# KiCad board F02-Func-Decoder-p.kicad_pcb
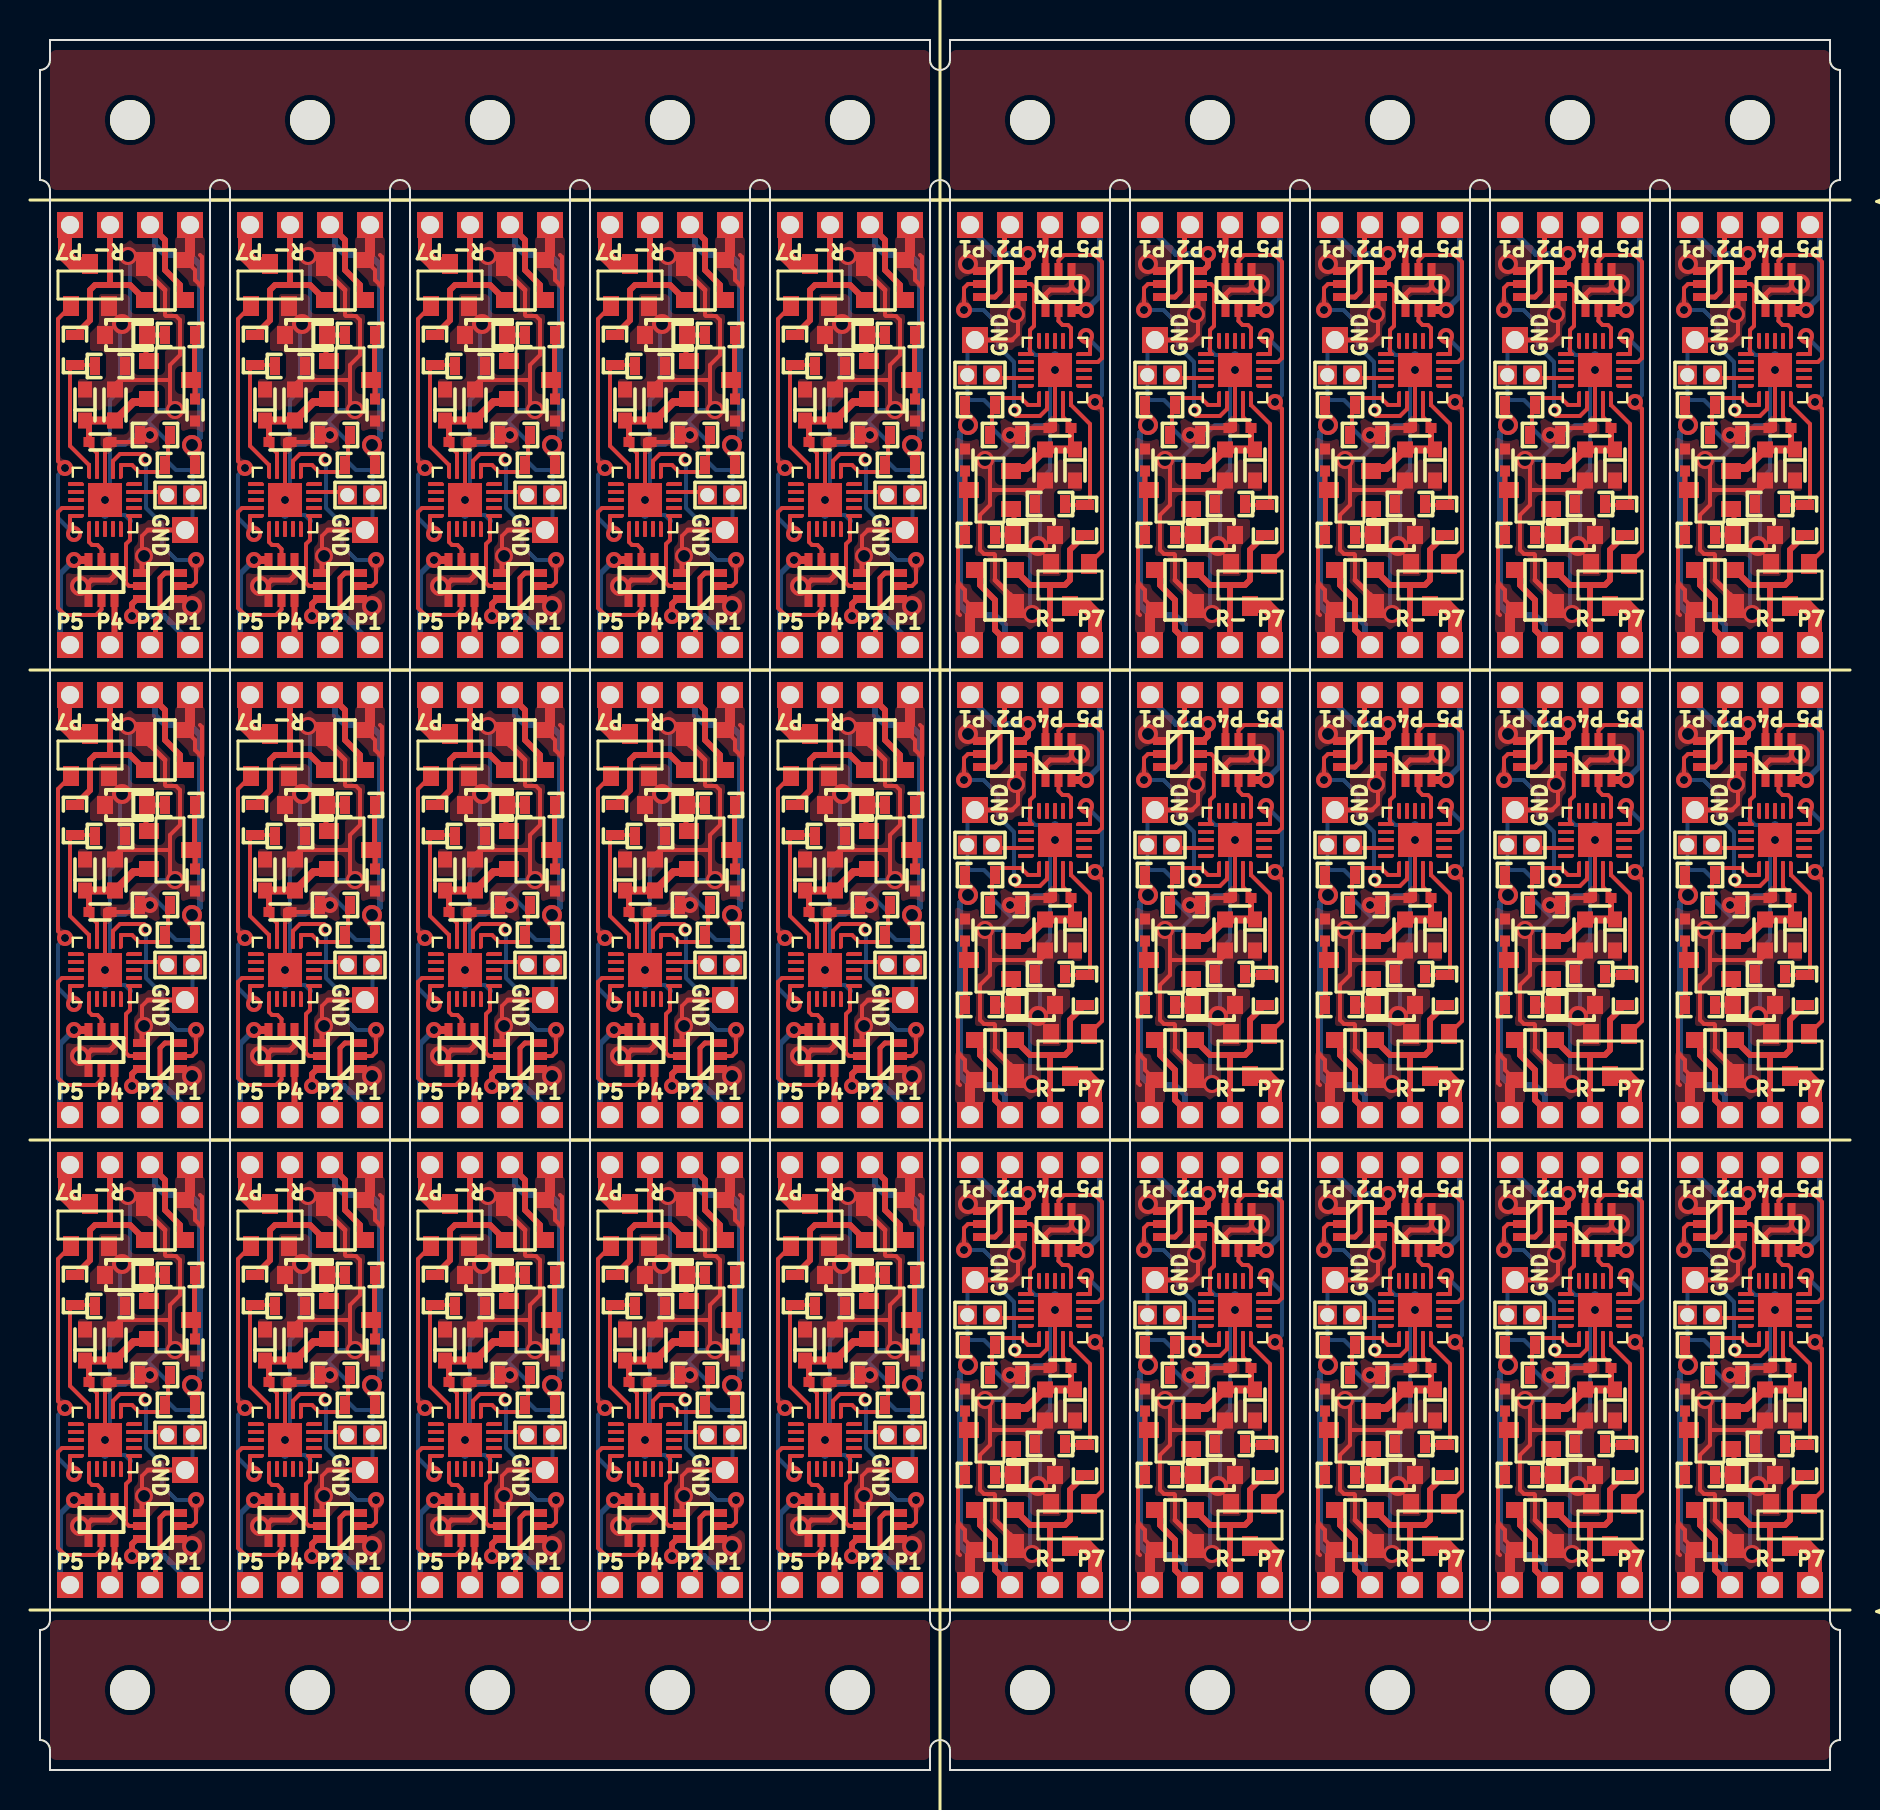
[diagram p0: board, top side]
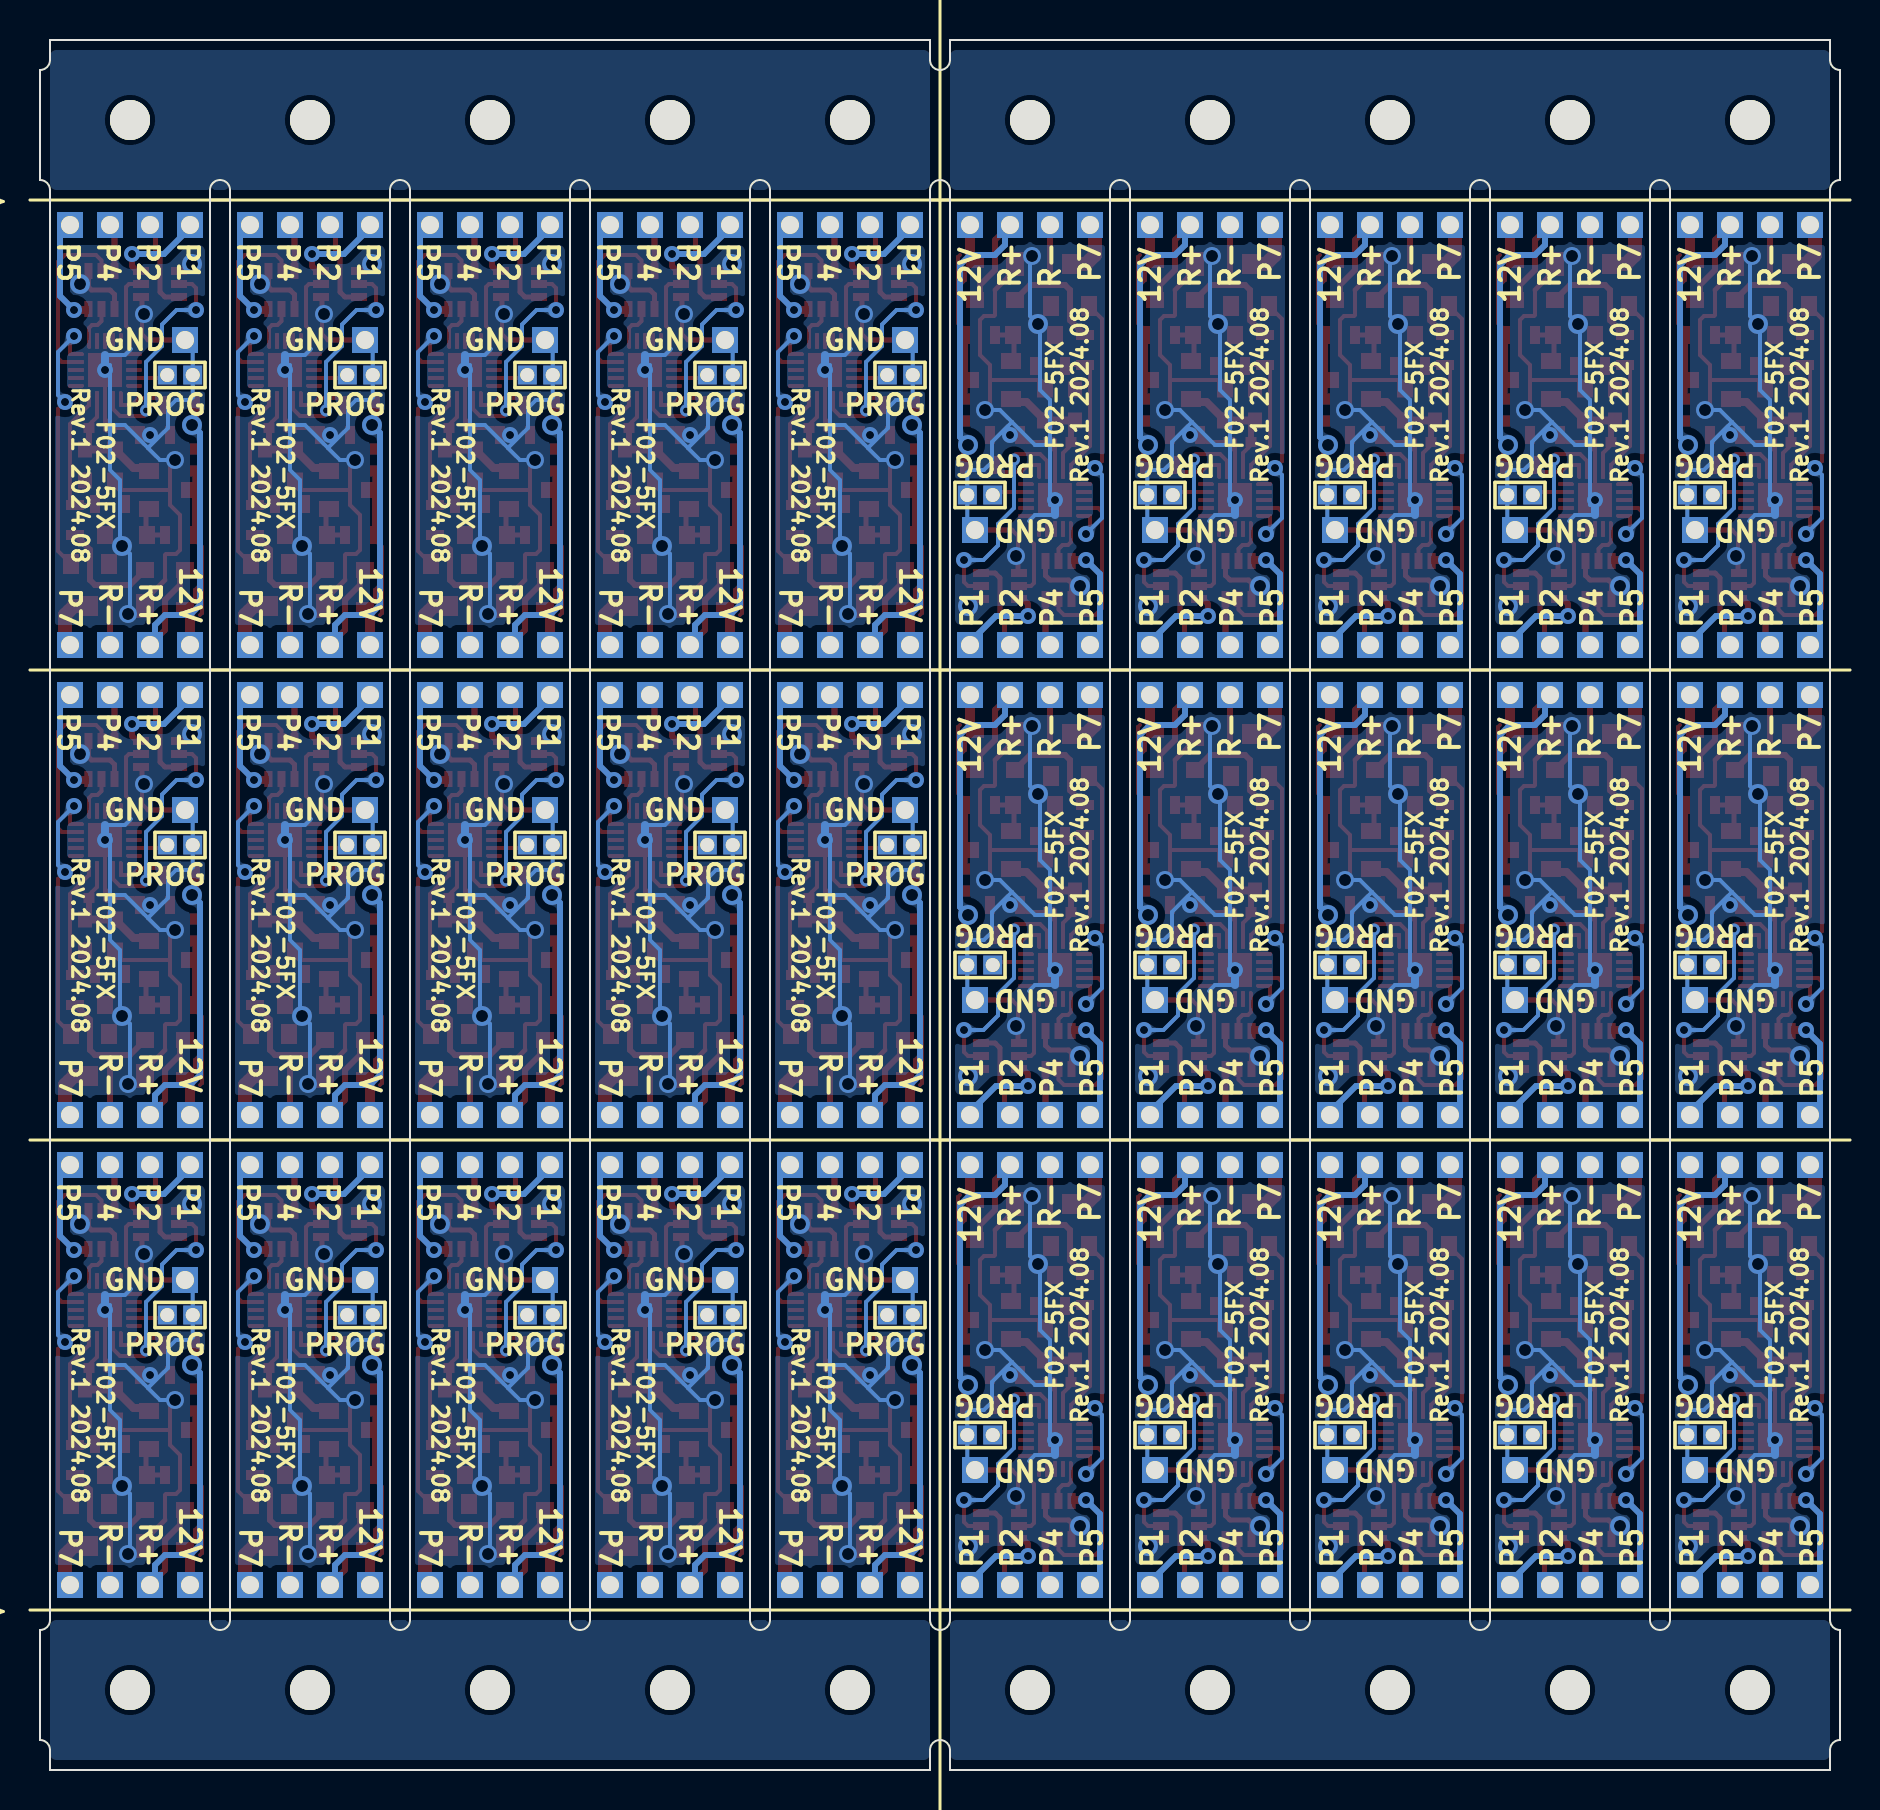
[diagram p1: board, bottom side, seen from below]

Outline 90 x 86.5 mm; copper layers: Top, Bottom. Coordinates in mm from the lower left corner of the outline.
Outline path: 0,79.5 0,85 arc(0.35,85.15) 0.5,85.5 0.5,86.5 44.5,86.5 44.5,85.5 arc(45,85) 45.5,85.5 45.5,86.5 89.5,86.5 89.5,85.5 arc(89.65,85.15) 90,85 90,79.5 arc(89.65,79.35) 89.5,79 89.5,7.5 arc(89.65,7.15) 90,7 90,1.5 arc(89.65,1.35) 89.5,1 89.5,0 45.5,0 45.5,1 arc(45,1.5) 44.5,1 44.5,0 0.5,0 0.5,1 arc(0.35,1.35) 0,1.5 0,7 arc(0.35,7.15) 0.5,7.5 0.5,79 arc(0.35,79.35) 0,79.5 ; 8.5,79 8.5,7.5 arc(9,7) 9.5,7.5 9.5,79 arc(9,79.5) 8.5,79 ; 17.5,79 17.5,7.5 arc(18,7) 18.5,7.5 18.5,79 arc(18,79.5) 17.5,79 ; 26.5,79 26.5,7.5 arc(27,7) 27.5,7.5 27.5,79 arc(27,79.5) 26.5,79 ; 35.5,79 35.5,7.5 arc(36,7) 36.5,7.5 36.5,79 arc(36,79.5) 35.5,79 ; 44.5,79 44.5,7.5 arc(45,7) 45.5,7.5 45.5,79 arc(45,79.5) 44.5,79 ; 53.5,79 53.5,7.5 arc(54,7) 54.5,7.5 54.5,79 arc(54,79.5) 53.5,79 ; 62.5,79 62.5,7.5 arc(63,7) 63.5,7.5 63.5,79 arc(63,79.5) 62.5,79 ; 71.5,79 71.5,7.5 arc(72,7) 72.5,7.5 72.5,79 arc(72,79.5) 71.5,79 ; 80.5,79 80.5,7.5 arc(81,7) 81.5,7.5 81.5,79 arc(81,79.5) 80.5,79
Stack: Top 0.035mm / dielectric 0.51mm FR4 er 4.5 / Bottom 0.035mm

## Placement (name value [footprint] x y rotation side)
C1  104  [C_1005_v2]  87 20.1 180 top
C1#2  104  [C_1005_v2]  3 66.4 0 top
C2  104  [C_1005_v2]  7.75 68 270 top
C2#2  104  [C_1005_v2]  82.25 18.5 90 top
C3  226  [C_1608]  3.75 68.25 90 top
C3#2  226  [C_1608]  86.25 18.25 270 top
C4  476  [CP_1608]  87.75 18.25 270 top
C4#2  476  [CP_1608]  2.25 68.25 90 top
C5  104  [C_1005_v2]  12 66.4 0 top
C5#2  104  [C_1005_v2]  78 20.1 180 top
C6  104  [C_1005_v2]  73.25 18.5 90 top
C6#2  104  [C_1005_v2]  16.75 68 270 top
C7  226  [C_1608]  77.25 18.25 270 top
C7#2  226  [C_1608]  12.75 68.25 90 top
C8  476  [CP_1608]  11.25 68.25 90 top
C8#2  476  [CP_1608]  78.75 18.25 270 top
C9  104  [C_1005_v2]  21 66.4 0 top
C9#2  104  [C_1005_v2]  69 20.1 180 top
C10  104  [C_1005_v2]  64.25 18.5 90 top
C10#2  104  [C_1005_v2]  25.75 68 270 top
C11  226  [C_1608]  21.75 68.25 90 top
C11#2  226  [C_1608]  68.25 18.25 270 top
C12  476  [CP_1608]  20.25 68.25 90 top
C12#2  476  [CP_1608]  69.75 18.25 270 top
C13  104  [C_1005_v2]  60 20.1 180 top
C13#2  104  [C_1005_v2]  30 66.4 0 top
C14  104  [C_1005_v2]  34.75 68 270 top
C14#2  104  [C_1005_v2]  55.25 18.5 90 top
C15  226  [C_1608]  30.75 68.25 90 top
C15#2  226  [C_1608]  59.25 18.25 270 top
C16  476  [CP_1608]  29.25 68.25 90 top
C16#2  476  [CP_1608]  60.75 18.25 270 top
C17  104  [C_1005_v2]  51 20.1 180 top
C17#2  104  [C_1005_v2]  39 66.4 0 top
C18  104  [C_1005_v2]  43.75 68 270 top
C18#2  104  [C_1005_v2]  46.25 18.5 90 top
C19  226  [C_1608]  50.25 18.25 270 top
C19#2  226  [C_1608]  39.75 68.25 90 top
C20  476  [CP_1608]  51.75 18.25 270 top
C20#2  476  [CP_1608]  38.25 68.25 90 top
C21  104  [C_1005_v2]  87 43.6 180 top
C21#2  104  [C_1005_v2]  3 42.9 0 top
C22  104  [C_1005_v2]  7.75 44.5 270 top
C22#2  104  [C_1005_v2]  82.25 42 90 top
C23  226  [C_1608]  86.25 41.75 270 top
C23#2  226  [C_1608]  3.75 44.75 90 top
C24  476  [CP_1608]  2.25 44.75 90 top
C24#2  476  [CP_1608]  87.75 41.75 270 top
C25  104  [C_1005_v2]  78 43.6 180 top
C25#2  104  [C_1005_v2]  12 42.9 0 top
C26  104  [C_1005_v2]  73.25 42 90 top
C26#2  104  [C_1005_v2]  16.75 44.5 270 top
C27  226  [C_1608]  77.25 41.75 270 top
C27#2  226  [C_1608]  12.75 44.75 90 top
C28  476  [CP_1608]  78.75 41.75 270 top
C28#2  476  [CP_1608]  11.25 44.75 90 top
C29  104  [C_1005_v2]  21 42.9 0 top
C29#2  104  [C_1005_v2]  69 43.6 180 top
C30  104  [C_1005_v2]  25.75 44.5 270 top
C30#2  104  [C_1005_v2]  64.25 42 90 top
C31  226  [C_1608]  68.25 41.75 270 top
C31#2  226  [C_1608]  21.75 44.75 90 top
C32  476  [CP_1608]  20.25 44.75 90 top
C32#2  476  [CP_1608]  69.75 41.75 270 top
C33  104  [C_1005_v2]  30 42.9 0 top
C33#2  104  [C_1005_v2]  60 43.6 180 top
C34  104  [C_1005_v2]  55.25 42 90 top
C34#2  104  [C_1005_v2]  34.75 44.5 270 top
C35  226  [C_1608]  30.75 44.75 90 top
C35#2  226  [C_1608]  59.25 41.75 270 top
C36  476  [CP_1608]  29.25 44.75 90 top
C36#2  476  [CP_1608]  60.75 41.75 270 top
C37  104  [C_1005_v2]  39 42.9 0 top
C37#2  104  [C_1005_v2]  51 43.6 180 top
C38  104  [C_1005_v2]  46.25 42 90 top
C38#2  104  [C_1005_v2]  43.75 44.5 270 top
C39  226  [C_1608]  50.25 41.75 270 top
C39#2  226  [C_1608]  39.75 44.75 90 top
C40  476  [CP_1608]  51.75 41.75 270 top
C40#2  476  [CP_1608]  38.25 44.75 90 top
C41  104  [C_1005_v2]  87 67.1 180 top
C41#2  104  [C_1005_v2]  3 19.4 0 top
C42  104  [C_1005_v2]  82.25 65.5 90 top
C42#2  104  [C_1005_v2]  7.75 21 270 top
C43  226  [C_1608]  3.75 21.25 90 top
C43#2  226  [C_1608]  86.25 65.25 270 top
C44  476  [CP_1608]  2.25 21.25 90 top
C44#2  476  [CP_1608]  87.75 65.25 270 top
C45  104  [C_1005_v2]  78 67.1 180 top
C45#2  104  [C_1005_v2]  12 19.4 0 top
C46  104  [C_1005_v2]  16.75 21 270 top
C46#2  104  [C_1005_v2]  73.25 65.5 90 top
C47  226  [C_1608]  77.25 65.25 270 top
C47#2  226  [C_1608]  12.75 21.25 90 top
C48  476  [CP_1608]  78.75 65.25 270 top
C48#2  476  [CP_1608]  11.25 21.25 90 top
C49  104  [C_1005_v2]  21 19.4 0 top
C49#2  104  [C_1005_v2]  69 67.1 180 top
C50  104  [C_1005_v2]  25.75 21 270 top
C50#2  104  [C_1005_v2]  64.25 65.5 90 top
C51  226  [C_1608]  21.75 21.25 90 top
C51#2  226  [C_1608]  68.25 65.25 270 top
C52  476  [CP_1608]  20.25 21.25 90 top
C52#2  476  [CP_1608]  69.75 65.25 270 top
C53  104  [C_1005_v2]  30 19.4 0 top
C53#2  104  [C_1005_v2]  60 67.1 180 top
C54  104  [C_1005_v2]  34.75 21 270 top
C54#2  104  [C_1005_v2]  55.25 65.5 90 top
C55  226  [C_1608]  59.25 65.25 270 top
C55#2  226  [C_1608]  30.75 21.25 90 top
C56  476  [CP_1608]  29.25 21.25 90 top
C56#2  476  [CP_1608]  60.75 65.25 270 top
C57  104  [C_1005_v2]  51 67.1 180 top
C57#2  104  [C_1005_v2]  39 19.4 0 top
C58  104  [C_1005_v2]  46.25 65.5 90 top
C58#2  104  [C_1005_v2]  43.75 21 270 top
C59  226  [C_1608]  39.75 21.25 90 top
C59#2  226  [C_1608]  50.25 65.25 270 top
C60  476  [CP_1608]  38.25 21.25 90 top
C60#2  476  [CP_1608]  51.75 65.25 270 top
D1  BAS3007  [SOT-143]  83.75 12 90 top
D1#2  BAS3007  [SOT-143]  6.25 74.5 270 top
D2  UDZV5.6B  [UMD2]  4.3 71.75 0 top
D2#2  UDZV5.6B  [UMD2]  85.7 14.75 180 top
D3  BAS3007  [SOT-143]  74.75 12 90 top
D3#2  BAS3007  [SOT-143]  15.25 74.5 270 top
D4  UDZV5.6B  [UMD2]  13.3 71.75 0 top
D4#2  UDZV5.6B  [UMD2]  76.7 14.75 180 top
D5  BAS3007  [SOT-143]  24.25 74.5 270 top
D5#2  BAS3007  [SOT-143]  65.75 12 90 top
D6  UDZV5.6B  [UMD2]  22.3 71.75 0 top
D6#2  UDZV5.6B  [UMD2]  67.7 14.75 180 top
D7  BAS3007  [SOT-143]  33.25 74.5 270 top
D7#2  BAS3007  [SOT-143]  56.75 12 90 top
D8  UDZV5.6B  [UMD2]  58.7 14.75 180 top
D8#2  UDZV5.6B  [UMD2]  31.3 71.75 0 top
D9  BAS3007  [SOT-143]  42.25 74.5 270 top
D9#2  BAS3007  [SOT-143]  47.75 12 90 top
D10  UDZV5.6B  [UMD2]  40.3 71.75 0 top
D10#2  UDZV5.6B  [UMD2]  49.7 14.75 180 top
D11  BAS3007  [SOT-143]  83.75 35.5 90 top
D11#2  BAS3007  [SOT-143]  6.25 51 270 top
D12  UDZV5.6B  [UMD2]  4.3 48.25 0 top
D12#2  UDZV5.6B  [UMD2]  85.7 38.25 180 top
D13  BAS3007  [SOT-143]  74.75 35.5 90 top
D13#2  BAS3007  [SOT-143]  15.25 51 270 top
D14  UDZV5.6B  [UMD2]  13.3 48.25 0 top
D14#2  UDZV5.6B  [UMD2]  76.7 38.25 180 top
D15  BAS3007  [SOT-143]  24.25 51 270 top
D15#2  BAS3007  [SOT-143]  65.75 35.5 90 top
D16  UDZV5.6B  [UMD2]  22.3 48.25 0 top
D16#2  UDZV5.6B  [UMD2]  67.7 38.25 180 top
D17  BAS3007  [SOT-143]  33.25 51 270 top
D17#2  BAS3007  [SOT-143]  56.75 35.5 90 top
D18  UDZV5.6B  [UMD2]  31.3 48.25 0 top
D18#2  UDZV5.6B  [UMD2]  58.7 38.25 180 top
D19  BAS3007  [SOT-143]  42.25 51 270 top
D19#2  BAS3007  [SOT-143]  47.75 35.5 90 top
D20  UDZV5.6B  [UMD2]  40.3 48.25 0 top
D20#2  UDZV5.6B  [UMD2]  49.7 38.25 180 top
D21  BAS3007  [SOT-143]  83.75 59 90 top
D21#2  BAS3007  [SOT-143]  6.25 27.5 270 top
D22  UDZV5.6B  [UMD2]  85.7 61.75 180 top
D22#2  UDZV5.6B  [UMD2]  4.3 24.75 0 top
D23  BAS3007  [SOT-143]  74.75 59 90 top
D23#2  BAS3007  [SOT-143]  15.25 27.5 270 top
D24  UDZV5.6B  [UMD2]  13.3 24.75 0 top
D24#2  UDZV5.6B  [UMD2]  76.7 61.75 180 top
D25  BAS3007  [SOT-143]  65.75 59 90 top
D25#2  BAS3007  [SOT-143]  24.25 27.5 270 top
D26  UDZV5.6B  [UMD2]  67.7 61.75 180 top
D26#2  UDZV5.6B  [UMD2]  22.3 24.75 0 top
D27  BAS3007  [SOT-143]  56.75 59 90 top
D27#2  BAS3007  [SOT-143]  33.25 27.5 270 top
D28  UDZV5.6B  [UMD2]  58.7 61.75 180 top
D28#2  UDZV5.6B  [UMD2]  31.3 24.75 0 top
D29  BAS3007  [SOT-143]  42.25 27.5 270 top
D29#2  BAS3007  [SOT-143]  47.75 59 90 top
D30  UDZV5.6B  [UMD2]  49.7 61.75 180 top
D30#2  UDZV5.6B  [UMD2]  40.3 24.75 0 top
J1  PAD  [PAD_1.3x1.3_Hole0.9]  1.5 77.25 90 top
J1#2  PAD  [PAD_1.3x1.3_Hole0.9]  88.5 9.25 270 top
J2  PAD  [PAD_1.3x1.3_Hole0.9]  86.5 30.25 90 top
J2#2  PAD  [PAD_1.3x1.3_Hole0.9]  3.5 56.25 270 top
J3  PAD  [PAD_1.3x1.3_Hole0.9]  84.5 30.25 90 top
J3#2  PAD  [PAD_1.3x1.3_Hole0.9]  5.5 56.25 270 top
J4  PAD  [PAD_1.3x1.3_Hole0.9]  7.5 56.25 270 top
J4#2  PAD  [PAD_1.3x1.3_Hole0.9]  82.5 30.25 90 top
J5  PAD  [PAD_1.3x1.3_Hole0.9]  88.5 30.25 90 top
J5#2  PAD  [PAD_1.3x1.3_Hole0.9]  1.5 56.25 270 top
J6  PAD  [PAD_1.3x1.3_Hole0.9]  79.5 9.25 270 top
J6#2  PAD  [PAD_1.3x1.3_Hole0.9]  10.5 77.25 90 top
J7  PAD  [PAD_1.3x1.3_Hole0.9]  12.5 56.25 270 top
J7#2  PAD  [PAD_1.3x1.3_Hole0.9]  77.5 30.25 90 top
J8  PAD  [PAD_1.3x1.3_Hole0.9]  14.5 56.25 270 top
J8#2  PAD  [PAD_1.3x1.3_Hole0.9]  75.5 30.25 90 top
J9  PAD  [PAD_1.3x1.3_Hole0.9]  73.5 30.25 90 top
J9#2  PAD  [PAD_1.3x1.3_Hole0.9]  16.5 56.25 270 top
J10  PAD  [PAD_1.3x1.3_Hole0.9]  79.5 30.25 90 top
J10#2  PAD  [PAD_1.3x1.3_Hole0.9]  10.5 56.25 270 top
J11  PAD  [PAD_1.3x1.3_Hole0.9]  19.5 77.25 90 top
J11#2  PAD  [PAD_1.3x1.3_Hole0.9]  70.5 9.25 270 top
J12  PAD  [PAD_1.3x1.3_Hole0.9]  68.5 30.25 90 top
J12#2  PAD  [PAD_1.3x1.3_Hole0.9]  21.5 56.25 270 top
J13  PAD  [PAD_1.3x1.3_Hole0.9]  66.5 30.25 90 top
J13#2  PAD  [PAD_1.3x1.3_Hole0.9]  23.5 56.25 270 top
J14  PAD  [PAD_1.3x1.3_Hole0.9]  64.5 30.25 90 top
J14#2  PAD  [PAD_1.3x1.3_Hole0.9]  25.5 56.25 270 top
J15  PAD  [PAD_1.3x1.3_Hole0.9]  70.5 30.25 90 top
J15#2  PAD  [PAD_1.3x1.3_Hole0.9]  19.5 56.25 270 top
J16  PAD  [PAD_1.3x1.3_Hole0.9]  61.5 9.25 270 top
J16#2  PAD  [PAD_1.3x1.3_Hole0.9]  28.5 77.25 90 top
J17  PAD  [PAD_1.3x1.3_Hole0.9]  30.5 56.25 270 top
J17#2  PAD  [PAD_1.3x1.3_Hole0.9]  59.5 30.25 90 top
J18  PAD  [PAD_1.3x1.3_Hole0.9]  32.5 56.25 270 top
J18#2  PAD  [PAD_1.3x1.3_Hole0.9]  57.5 30.25 90 top
J19  PAD  [PAD_1.3x1.3_Hole0.9]  55.5 30.25 90 top
J19#2  PAD  [PAD_1.3x1.3_Hole0.9]  34.5 56.25 270 top
J20  PAD  [PAD_1.3x1.3_Hole0.9]  61.5 30.25 90 top
J20#2  PAD  [PAD_1.3x1.3_Hole0.9]  28.5 56.25 270 top
J21  PAD  [PAD_1.3x1.3_Hole0.9]  37.5 77.25 90 top
J21#2  PAD  [PAD_1.3x1.3_Hole0.9]  52.5 9.25 270 top
J22  PAD  [PAD_1.3x1.3_Hole0.9]  50.5 30.25 90 top
J22#2  PAD  [PAD_1.3x1.3_Hole0.9]  39.5 56.25 270 top
J23  PAD  [PAD_1.3x1.3_Hole0.9]  48.5 30.25 90 top
J23#2  PAD  [PAD_1.3x1.3_Hole0.9]  41.5 56.25 270 top
J24  PAD  [PAD_1.3x1.3_Hole0.9]  46.5 30.25 90 top
J24#2  PAD  [PAD_1.3x1.3_Hole0.9]  43.5 56.25 270 top
J25  PAD  [PAD_1.3x1.3_Hole0.9]  52.5 30.25 90 top
J25#2  PAD  [PAD_1.3x1.3_Hole0.9]  37.5 56.25 270 top
J26  PAD  [PAD_1.3x1.3_Hole0.9]  1.5 53.75 90 top
J26#2  PAD  [PAD_1.3x1.3_Hole0.9]  88.5 32.75 270 top
J27  PAD  [PAD_1.3x1.3_Hole0.9]  86.5 53.75 90 top
J27#2  PAD  [PAD_1.3x1.3_Hole0.9]  3.5 32.75 270 top
J28  PAD  [PAD_1.3x1.3_Hole0.9]  84.5 53.75 90 top
J28#2  PAD  [PAD_1.3x1.3_Hole0.9]  5.5 32.75 270 top
J29  PAD  [PAD_1.3x1.3_Hole0.9]  7.5 32.75 270 top
J29#2  PAD  [PAD_1.3x1.3_Hole0.9]  82.5 53.75 90 top
J30  PAD  [PAD_1.3x1.3_Hole0.9]  88.5 53.75 90 top
J30#2  PAD  [PAD_1.3x1.3_Hole0.9]  1.5 32.75 270 top
J31  PAD  [PAD_1.3x1.3_Hole0.9]  79.5 32.75 270 top
J31#2  PAD  [PAD_1.3x1.3_Hole0.9]  10.5 53.75 90 top
J32  PAD  [PAD_1.3x1.3_Hole0.9]  77.5 53.75 90 top
J32#2  PAD  [PAD_1.3x1.3_Hole0.9]  12.5 32.75 270 top
J33  PAD  [PAD_1.3x1.3_Hole0.9]  14.5 32.75 270 top
J33#2  PAD  [PAD_1.3x1.3_Hole0.9]  75.5 53.75 90 top
J34  PAD  [PAD_1.3x1.3_Hole0.9]  73.5 53.75 90 top
J34#2  PAD  [PAD_1.3x1.3_Hole0.9]  16.5 32.75 270 top
J35  PAD  [PAD_1.3x1.3_Hole0.9]  10.5 32.75 270 top
J35#2  PAD  [PAD_1.3x1.3_Hole0.9]  79.5 53.75 90 top
J36  PAD  [PAD_1.3x1.3_Hole0.9]  70.5 32.75 270 top
J36#2  PAD  [PAD_1.3x1.3_Hole0.9]  19.5 53.75 90 top
J37  PAD  [PAD_1.3x1.3_Hole0.9]  21.5 32.75 270 top
J37#2  PAD  [PAD_1.3x1.3_Hole0.9]  68.5 53.75 90 top
J38  PAD  [PAD_1.3x1.3_Hole0.9]  66.5 53.75 90 top
J38#2  PAD  [PAD_1.3x1.3_Hole0.9]  23.5 32.75 270 top
J39  PAD  [PAD_1.3x1.3_Hole0.9]  64.5 53.75 90 top
J39#2  PAD  [PAD_1.3x1.3_Hole0.9]  25.5 32.75 270 top
J40  PAD  [PAD_1.3x1.3_Hole0.9]  19.5 32.75 270 top
J40#2  PAD  [PAD_1.3x1.3_Hole0.9]  70.5 53.75 90 top
J41  PAD  [PAD_1.3x1.3_Hole0.9]  28.5 53.75 90 top
J41#2  PAD  [PAD_1.3x1.3_Hole0.9]  61.5 32.75 270 top
J42  PAD  [PAD_1.3x1.3_Hole0.9]  30.5 32.75 270 top
J42#2  PAD  [PAD_1.3x1.3_Hole0.9]  59.5 53.75 90 top
J43  PAD  [PAD_1.3x1.3_Hole0.9]  32.5 32.75 270 top
J43#2  PAD  [PAD_1.3x1.3_Hole0.9]  57.5 53.75 90 top
J44  PAD  [PAD_1.3x1.3_Hole0.9]  55.5 53.75 90 top
J44#2  PAD  [PAD_1.3x1.3_Hole0.9]  34.5 32.75 270 top
J45  PAD  [PAD_1.3x1.3_Hole0.9]  61.5 53.75 90 top
J45#2  PAD  [PAD_1.3x1.3_Hole0.9]  28.5 32.75 270 top
J46  PAD  [PAD_1.3x1.3_Hole0.9]  52.5 32.75 270 top
J46#2  PAD  [PAD_1.3x1.3_Hole0.9]  37.5 53.75 90 top
J47  PAD  [PAD_1.3x1.3_Hole0.9]  39.5 32.75 270 top
J47#2  PAD  [PAD_1.3x1.3_Hole0.9]  50.5 53.75 90 top
J48  PAD  [PAD_1.3x1.3_Hole0.9]  48.5 53.75 90 top
J48#2  PAD  [PAD_1.3x1.3_Hole0.9]  41.5 32.75 270 top
J49  PAD  [PAD_1.3x1.3_Hole0.9]  46.5 53.75 90 top
J49#2  PAD  [PAD_1.3x1.3_Hole0.9]  43.5 32.75 270 top
J50  PAD  [PAD_1.3x1.3_Hole0.9]  37.5 32.75 270 top
J50#2  PAD  [PAD_1.3x1.3_Hole0.9]  52.5 53.75 90 top
J51  PAD  [PAD_1.3x1.3_Hole0.9]  1.5 30.25 90 top
J51#2  PAD  [PAD_1.3x1.3_Hole0.9]  88.5 56.25 270 top
J52  PAD  [PAD_1.3x1.3_Hole0.9]  3.5 9.25 270 top
J52#2  PAD  [PAD_1.3x1.3_Hole0.9]  86.5 77.25 90 top
J53  PAD  [PAD_1.3x1.3_Hole0.9]  5.5 9.25 270 top
J53#2  PAD  [PAD_1.3x1.3_Hole0.9]  84.5 77.25 90 top
J54  PAD  [PAD_1.3x1.3_Hole0.9]  7.5 9.25 270 top
J54#2  PAD  [PAD_1.3x1.3_Hole0.9]  82.5 77.25 90 top
J55  PAD  [PAD_1.3x1.3_Hole0.9]  1.5 9.25 270 top
J55#2  PAD  [PAD_1.3x1.3_Hole0.9]  88.5 77.25 90 top
J56  PAD  [PAD_1.3x1.3_Hole0.9]  10.5 30.25 90 top
J56#2  PAD  [PAD_1.3x1.3_Hole0.9]  79.5 56.25 270 top
J57  PAD  [PAD_1.3x1.3_Hole0.9]  12.5 9.25 270 top
J57#2  PAD  [PAD_1.3x1.3_Hole0.9]  77.5 77.25 90 top
J58  PAD  [PAD_1.3x1.3_Hole0.9]  75.5 77.25 90 top
J58#2  PAD  [PAD_1.3x1.3_Hole0.9]  14.5 9.25 270 top
J59  PAD  [PAD_1.3x1.3_Hole0.9]  16.5 9.25 270 top
J59#2  PAD  [PAD_1.3x1.3_Hole0.9]  73.5 77.25 90 top
J60  PAD  [PAD_1.3x1.3_Hole0.9]  10.5 9.25 270 top
J60#2  PAD  [PAD_1.3x1.3_Hole0.9]  79.5 77.25 90 top
J61  PAD  [PAD_1.3x1.3_Hole0.9]  19.5 30.25 90 top
J61#2  PAD  [PAD_1.3x1.3_Hole0.9]  70.5 56.25 270 top
J62  PAD  [PAD_1.3x1.3_Hole0.9]  68.5 77.25 90 top
J62#2  PAD  [PAD_1.3x1.3_Hole0.9]  21.5 9.25 270 top
J63  PAD  [PAD_1.3x1.3_Hole0.9]  66.5 77.25 90 top
J63#2  PAD  [PAD_1.3x1.3_Hole0.9]  23.5 9.25 270 top
J64  PAD  [PAD_1.3x1.3_Hole0.9]  25.5 9.25 270 top
J64#2  PAD  [PAD_1.3x1.3_Hole0.9]  64.5 77.25 90 top
J65  PAD  [PAD_1.3x1.3_Hole0.9]  19.5 9.25 270 top
J65#2  PAD  [PAD_1.3x1.3_Hole0.9]  70.5 77.25 90 top
J66  PAD  [PAD_1.3x1.3_Hole0.9]  61.5 56.25 270 top
J66#2  PAD  [PAD_1.3x1.3_Hole0.9]  28.5 30.25 90 top
J67  PAD  [PAD_1.3x1.3_Hole0.9]  30.5 9.25 270 top
J67#2  PAD  [PAD_1.3x1.3_Hole0.9]  59.5 77.25 90 top
J68  PAD  [PAD_1.3x1.3_Hole0.9]  57.5 77.25 90 top
J68#2  PAD  [PAD_1.3x1.3_Hole0.9]  32.5 9.25 270 top
J69  PAD  [PAD_1.3x1.3_Hole0.9]  34.5 9.25 270 top
J69#2  PAD  [PAD_1.3x1.3_Hole0.9]  55.5 77.25 90 top
J70  PAD  [PAD_1.3x1.3_Hole0.9]  61.5 77.25 90 top
J70#2  PAD  [PAD_1.3x1.3_Hole0.9]  28.5 9.25 270 top
J71  PAD  [PAD_1.3x1.3_Hole0.9]  52.5 56.25 270 top
J71#2  PAD  [PAD_1.3x1.3_Hole0.9]  37.5 30.25 90 top
J72  PAD  [PAD_1.3x1.3_Hole0.9]  50.5 77.25 90 top
J72#2  PAD  [PAD_1.3x1.3_Hole0.9]  39.5 9.25 270 top
J73  PAD  [PAD_1.3x1.3_Hole0.9]  48.5 77.25 90 top
J73#2  PAD  [PAD_1.3x1.3_Hole0.9]  41.5 9.25 270 top
J74  PAD  [PAD_1.3x1.3_Hole0.9]  43.5 9.25 270 top
J74#2  PAD  [PAD_1.3x1.3_Hole0.9]  46.5 77.25 90 top
J75  PAD  [PAD_1.3x1.3_Hole0.9]  37.5 9.25 270 top
J75#2  PAD  [PAD_1.3x1.3_Hole0.9]  52.5 77.25 90 top
P1  PAD  [PAD_1.3x1.3_Hole0.9]  5.5 77.25 90 top
P1#2  PAD  [PAD_1.3x1.3_Hole0.9]  84.5 9.25 270 top
P2  PAD  [PAD_1.3x1.3_Hole0.9]  86.5 9.25 270 top
P2#2  PAD  [PAD_1.3x1.3_Hole0.9]  3.5 77.25 90 top
P3  PAD  [PAD_1.3x1.3_Hole0.9]  7.5 77.25 90 top
P3#2  PAD  [PAD_1.3x1.3_Hole0.9]  82.5 9.25 270 top
P4  PAD  [PAD_1.3x1.3_Hole0.9]  82.75 24.5 90 top
P4#2  PAD  [PAD_1.3x1.3_Hole0.9]  7.25 62 270 top
P5  PROG  [PAD_PROG_2PIN_HOLE0.7]  7 63.75 0 top
P5#2  PROG  [PAD_PROG_2PIN_HOLE0.7]  83 22.75 180 top
P6  PAD  [PAD_1.3x1.3_Hole0.9]  14.5 77.25 90 top
P6#2  PAD  [PAD_1.3x1.3_Hole0.9]  75.5 9.25 270 top
P7  PAD  [PAD_1.3x1.3_Hole0.9]  77.5 9.25 270 top
P7#2  PAD  [PAD_1.3x1.3_Hole0.9]  12.5 77.25 90 top
P8  PAD  [PAD_1.3x1.3_Hole0.9]  16.5 77.25 90 top
P8#2  PAD  [PAD_1.3x1.3_Hole0.9]  73.5 9.25 270 top
P9  PAD  [PAD_1.3x1.3_Hole0.9]  16.25 62 270 top
P9#2  PAD  [PAD_1.3x1.3_Hole0.9]  73.75 24.5 90 top
P10  PROG  [PAD_PROG_2PIN_HOLE0.7]  74 22.75 180 top
P10#2  PROG  [PAD_PROG_2PIN_HOLE0.7]  16 63.75 0 top
P11  PAD  [PAD_1.3x1.3_Hole0.9]  23.5 77.25 90 top
P11#2  PAD  [PAD_1.3x1.3_Hole0.9]  66.5 9.25 270 top
P12  PAD  [PAD_1.3x1.3_Hole0.9]  21.5 77.25 90 top
P12#2  PAD  [PAD_1.3x1.3_Hole0.9]  68.5 9.25 270 top
P13  PAD  [PAD_1.3x1.3_Hole0.9]  64.5 9.25 270 top
P13#2  PAD  [PAD_1.3x1.3_Hole0.9]  25.5 77.25 90 top
P14  PAD  [PAD_1.3x1.3_Hole0.9]  25.25 62 270 top
P14#2  PAD  [PAD_1.3x1.3_Hole0.9]  64.75 24.5 90 top
P15  PROG  [PAD_PROG_2PIN_HOLE0.7]  25 63.75 0 top
P15#2  PROG  [PAD_PROG_2PIN_HOLE0.7]  65 22.75 180 top